# KiCad board DFTBoard.kicad_pcb (continued)
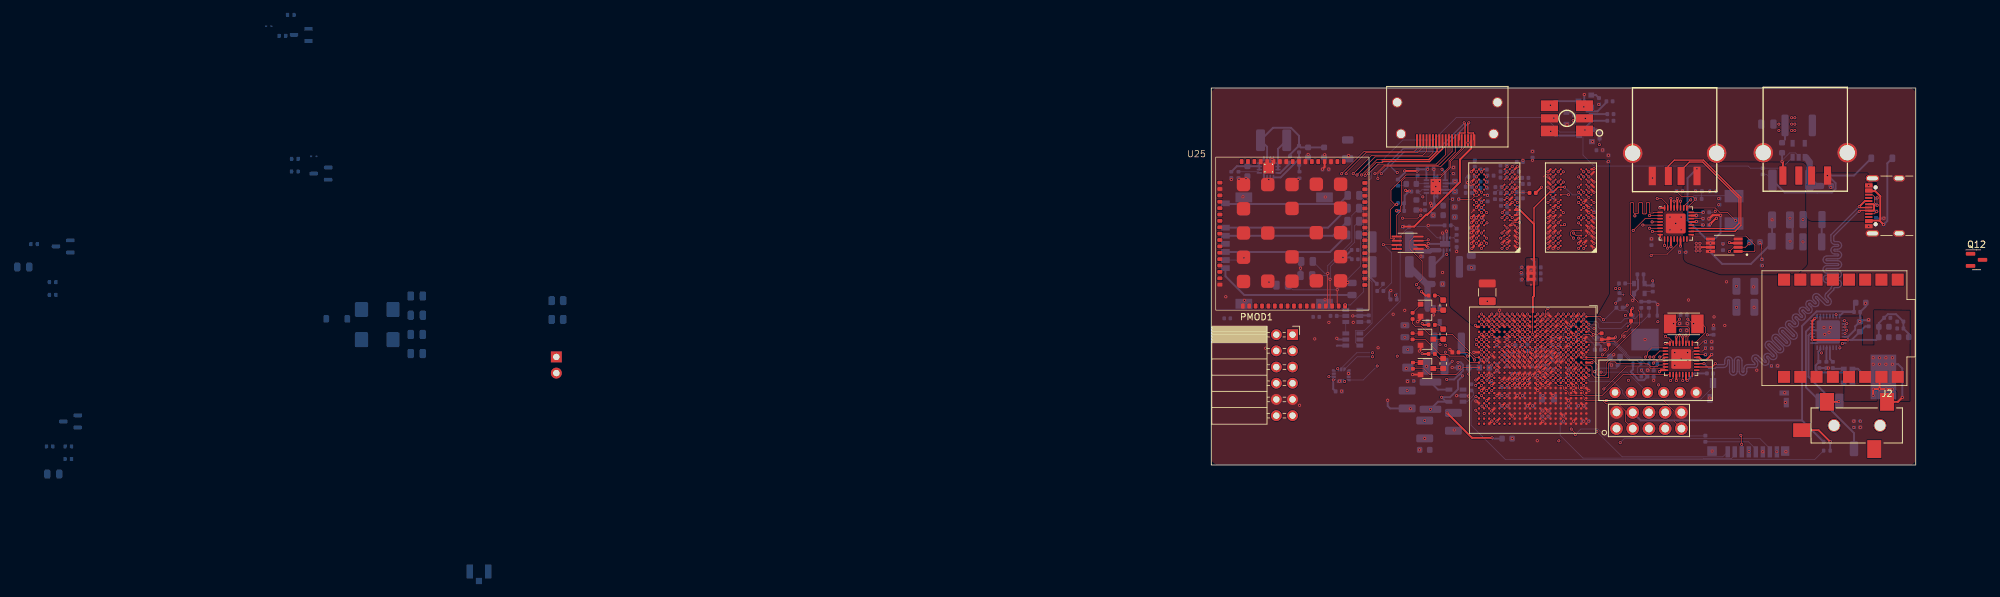
[diagram p0: board, top side]
## Routing (per net, layer and track width the routed paths; a pad name or vN(x,y) marks a point on that pad's centre or on a via; arc(x,y) is an arc through that point) (continued)
  BOTTOM w0.102: v1(5.11,32.47) 4.77,32.14 J4.C5 ; 33.44,39.99 C129.2 ; v1(52.71,43.57) 52.79,43.57 R49.2 ; v1(89.36,47.55) 89.36,47.77 90.53,48.94 91.49,48.94 91.96,48.47 ; R38.2 78.74,39.62 v1(78.89,39.78) ; U23.1 21.51,13.85 ; U8.11 35.4,42.57
  BOTTOM w0.3: C10.2 v1(89.36,47.55) ; 13.97,30.85 13.97,31.82 C143.2 ; 13.97,30.85 13.96,30.86 v1(13.96,30.88) ; 13.97,30.85 C144.2 ; U8.11 U8.11 34.9,40.85 ; 48.79,47.52 v1(48.79,47.78) ; J4.1 5.04,41.96 v1(4.95,42.05) ; 62.7,16.97 v1(63.01,17.29) ; U8.11 34.9,44.66 ; U8.11 U8.11 ; U8.11 34.9,46.37 ; C39.1 101.78,22.71 ; 101.59,22.53 101.59,24 102.47,24.87 C51.2 ; U13.8 8.23,45.81 U13.17 ; v1(38.15,42.88) 37.86,43.16 U8.4 35.99,43.16 35.63,42.8 ; v1(37.71,15.29) 37.72,15.27 C26.2 ; 91,38.25 91,34.8 ; v1(40.3,10.81) 40.23,10.88 U3.2 v1(38.41,10.88) ; 36.86,34.92 U5.3 36.86,36.62 v1(36.81,36.67) ; C132.2 21.72,32.55 v1(20.61,32.55) 20.8,32.55 C49.2 ; v1(18.41,46.4) 18.38,46.37 C48.2 ; v1(33.96,34.73) 34.02,34.67 U5.9 ; R94.2 R93.2 69.47,25.61 v1(69.91,25.17) 69.81,25.08 69.81,23.57 ; C66.2 27.86,26.16 27.86,27.11 v1(28.11,27.35) ; U8.8 v1(35.15,43.66) ; R91.2 60.69,18.99 61,18.69 R96.2 61.6,18.07 v1(61.61,18.09) ; C83.1 104.2,38.68 ; U13.17 9.23,46.81 U13.15 9.38,48.02 v1(9.5,47.9) ; U7.2 v1(34.81,23.53) ; 47.13,18.88 47.23,18.77 C106.2 ; C41.1 100.81,21.74 100.81,21.23 99.7,20.12 U9.6 ; 66.71,29.89 66.71,29.13 66.81,29.03 66.81,27.62 66.19,27 ; U18.2 66.19,26.04 v1(65.97,25.83) ; v1(9.03,28.67) 9.5,28.2 C145.2 ; C25.2 28,8.87 27.62,9.24 v1(27.62,10.16) ; v1(58.39,58.1) 58.39,57.2 Q5.2 ; U1.2 v1(22.15,23.38) ; v1(36.21,36.37) 36.36,36.22 U5.2 36.36,34.92 ; v1(19.65,19.88) 19.84,19.68 U2.2 ; 86.42,53.15 J1.5 ; 78.62,21.39 v1(78.62,21.91) ; C1.2 23.34,23.46 ; R92.2 v1(69.26,13.28) ; 36.53,37.57 v1(33.96,37.57)
  vias: v1(2.27,26.38) v1(3.13,44.77) v1(4.33,44.8) v1(5.18,25.82) v1(5.43,44.92) v1(8.51,18.32) v1(9,44.77) v1(13.6,44.8) v1(13.82,9.37) v1(15.16,48.7) v1(16.19,19.77) v1(17.75,48.65) v1(17.83,42.02) v1(17.81,25.9) v1(18.41,22.37) v1(20.09,13.15) v1(20.39,11.59) v1(21.36,28.62) v1(21.5,48.52) v1(21.49,14.36) v1(22.22,22.38) v1(26.11,18.39) v1(28.47,23.64) v1(30.29,24.26) v1(30.29,21.91) v1(30.53,15.15) v1(30.71,13.07) v1(31.16,8.82) v1(32.62,2.38) v1(32.81,39.99) v1(32.81,32.75) v1(33.41,4.17) v1(33.71,15.47) v1(34.34,41.06) v1(34.47,40.69) v1(34.71,44.47) v1(34.71,42.87) v1(34.72,39.18) v1(34.85,46.37) v1(35.71,44.47) v1(35.71,42.87) v1(36.21,30.19) v1(36.2,28.38) v1(37.78,41.67) v1(37.87,45.73) v1(38.03,5.49) v1(38.11,38.89) v1(38.86,15.32) v1(40.19,50.55) v1(40.71,30.94) v1(43.11,16.47) v1(43.21,25.67) v1(43.91,14.07) v1(44.71,14.88) v1(46.31,19.67) v1(46.31,10.88) v1(46.31,9.27) v1(47.11,18.88) v1(47.11,4.14) v1(48.51,30.18) v1(48.62,31.02) v1(48.65,29.15) v1(49.51,19.67) v1(50.29,49.18) v1(51.03,3.8) v1(51.91,8.47) v1(54.31,18.88) v1(55.69,53.39) v1(55.91,14.88) v1(58.31,6.88) v1(59.7,50.71) v1(61.27,49.4) v1(62.17,48.57) v1(62.62,15.67) v1(64.61,20.19) v1(67.91,19.67) v1(68.33,14.88) v1(68.91,35.46) v1(69.08,45) v1(71.81,38.87) v1(71.81,36.87) v1(72.56,17.62) v1(72.56,15.62) v1(72.71,37.87) v1(73.31,22.17) v1(73.56,38.87) v1(73.56,36.87) v1(73.56,16.62) v1(73.81,42.95) v1(74.29,33.37) v1(74.44,21.12) v1(74.51,22.17) v1(74.56,17.62) v1(74.6,16.4) v1(74.71,25.88) v1(75.84,42.95) v1(78.05,10.51) v1(78.4,2.19) v1(78.71,23.22) v1(79.02,42.92) v1(79.45,41.78) v1(80.11,34.66) v1(80.4,21.88) v1(80.66,28.72) v1(84.91,27.92) v1(84.97,24.73) v1(85.4,14.88) v1(86.35,2.06) v1(88.69,15.56) v1(89.78,11.33) v1(89.87,9.8) v1(89.96,2.08) v1(90.6,38.71) v1(90.61,35.11) v1(92.63,38.48) v1(92.63,34.98) v1(96.99,43.54) v1(100.6,6.88) v1(101.53,22.53) v1(101.6,5.91) v1(102.41,25.37) v1(102.93,43.84) v1(102.93,37.44) v1(102.92,22.77) v1(104.25,41.89) v1(105.31,38.71) v1(105.62,11.91)
GNDA: length 25.9
  TOP_GND w0.3: J2.1 107.49,9.9 v1(108.18,10.59)
  SIGNAL1 w0.3: v1(103.62,16.81) 98.24,16.81 v1(96.63,15.2)
  BOTTOM w0.3: 96.35,21.12 U9.21 ; 95.35,23.34 95.35,22.12 ; GT1.2 107.52,15.81 108.18,15.15 v1(108.18,10.59) ; U9.17 94.85,19.12 U9.33 ; C35.1 96.29,15.21
  vias: v1(95.93,21.55) v1(96.05,20.48) v1(96.71,20.82) v1(96.93,21.55) v1(103.62,15.81) v1(104.62,16.81) v1(104.62,15.81) v1(105.62,16.81) v1(105.62,15.81) v1(106.62,16.81) v1(106.62,15.81)
/Audio/HPRCOM_C_P: length 1.9
  TOP_GND w0.3: v1(98.25,9.94) 98.21,9.9 J2.2
/Audio/HPSWITCH: length 6.5
  TOP_GND w0.3: v1(96.89,3.65) 95.09,5.45 J2.4
  BOTTOM w0.3: R17.2 R16.1
/Audio/LED_1BA: length 4.6
  BOTTOM w0.3: v1(58.32,56.16) 58.32,55.92 58.78,55.46 60.45,55.46 61.86,56.87
/Audio/LED_1BC: length 4.7
  BOTTOM w0.3: Q5.3 53.74,57.06 v1(53.1,56.42)
/Audio/LED_1GA: length 3.7
  BOTTOM w0.3: R20.2 59.24,55.03 v1(58.56,54.35)
/Audio/LED_1GC:
  vias: v1(53.63,54.4)
/Audio/LED_1RA: length 4.3
  BOTTOM w0.3: v1(58.5,52.53) 58.5,52.88 59.6,53.98 R19.2
/Audio/LED_1RC: length 4.7
  BOTTOM w0.3: Q1.3 53.81,51.66 v1(53.14,52.33)
/Audio/MICBIAS: length 12.5
  BOTTOM w0.3: 100.93,15.09 101.22,15.09 C42.1 ; 100.93,15.09 100.35,14.51 95.02,14.51 94.63,14.9 94.63,15.61 C35.2 95.05,16.34 95.05,17.77 95.35,18.08 U9.15 ; 100.93,15.09 MIC1.1
/Audio/SIG_F: length 2.4
  BOTTOM w0.3: 97.31,16.17 96.85,16.63 U9.12
/Audio/SIGC_F: length 1.6
  BOTTOM w0.3: 99.03,15.09 97.41,15.09
/Comm/sim_clk: length 18.4
  TOP_GND w0.102: U25.32 18.59,25.28 v1(18.59,29.12)
  BOTTOM w0.102: R44.1 22.41,37.48 22.41,34.91 18.63,31.12 18.63,29.16 v1(18.59,29.12) 18.02,29.7 C144.1
/Comm/sim_clk#: length 20.1
  BOTTOM w0.3: J4.C3 19.06,35.95 R44.2
/Comm/sim_data: length 20.6
  TOP_GND w0.102: v1(18.23,30.03) 18.2,29.99 18.2,25.19 U25.31
  BOTTOM w0.102: R43.1 22,39.12 22,35.03 18.23,31.27 v1(18.23,30.03) 17.79,30.03 C143.1
/Comm/sim_data#: length 20.4
  BOTTOM w0.3: J4.C7 18.28,37.22 R43.2
/Comm/sim_det: length 19.3
  TOP_GND w0.102: U25.34 20.96,24.94 v1(20.96,25.1)
  BOTTOM w0.102: v1(20.96,25.1) 21.77,25.1 23.82,27.15 23.82,41.63 R105.1
/Comm/sim_det#: length 19.7
  BOTTOM w0.3: 21.35,42.27 20.01,40.93 2.31,40.93 J4.CD
/Comm/sim_rst: length 20.9
  TOP_GND w0.102: v1(19.71,27.47) 19.71,25.16 U25.33
  BOTTOM w0.102: C145.1 12.74,27.47 v1(19.71,27.47) 19.71,27.52 23.39,31.21 23.39,35.76 R45.1
/Comm/sim_rst#: length 20.1
  BOTTOM w0.3: R45.2 18.59,33.41 J4.C2
/Comm/VSIM: length 22.3
  BOTTOM w0.3: C146.1 5.17,26.65 2.22,29.6 J4.C1
/DDR3/PGOOD_LED: length 1
  BOTTOM w0.102: R102.1 30.24,43.79
/DDR3/VREF: length 72.6
  TOP_GND w0.102: U16.H1 v1(59.91,39.57) ; U20.H7 v1(53.51,18.88) ; U20.P7 v1(48.71,18.88)
  TOP_GND w0.12: 50.31,23.97 v1(50.31,20.47) ; 50.33,28.86 50.07,29.12
  TOP_GND w0.15: U15.M8 v1(42.31,42.77)
  TOP_GND w0.2: v1(55.31,43.57) 54.31,43.57 U16.M8 53.54,42.81 53,42.81 50.53,40.33 50.53,37.76
  TOP_GND w0.3: 50.31,23.97 50.33,23.99 50.33,26.29 50.53,26.49 50.53,29.12 ; 50.53,31.02 50.53,37.76 48.31,39.97 U15.H1 ; 47.51,39.98 v1(47.91,40.38)
  TOP_GND w0.45: 49.59,30.06 50.52,30.06 ; 49.59,31.02 50.53,31.02 50.53,29.12 49.59,29.12 49.59,31.02
  SIGNAL1 w0.3: v1(42.31,42.77) 41.82,42.28 39.59,42.28 36.11,45.76 v1(36.11,46.37)
  SIGNAL2 w0.102: v1(48.71,18.88) 49.1,19.27 49.1,19.85 49.34,20.08 49.92,20.08 v1(50.31,20.47) 50.72,20.07 52.9,20.07 53.12,19.85 53.12,19.27 v1(53.51,18.88)
  SIGNAL4 w0.15: v1(47.91,40.38) 47.49,39.96 46.9,39.96 46.88,39.99 44.92,39.99 42.55,42.36 42.55,42.54 v1(42.31,42.77)
  BOTTOM w0.102: v1(59.91,39.57) 59.91,40.16 57.7,42.37 56.52,42.37 v1(55.31,43.57)
  BOTTOM w0.3: U8.1 36.62,45.86 v1(36.11,46.37) ; C96.2 50.09,30.47 v2(50.02,30.47) 49.99,30.47 R48.1 ; R47.2 50.6,31.87 v2(50.15,32.32)
  vias: v2(50.04,28.27)
/DDR3/ZQH: length 3.5
  TOP_GND w0.102: U15.L8 41.59,42.06 41.12,42.06 40.74,41.67 R46.1 38.75,41.68 v1(38.73,41.7)
/DDR3/ZQL: length 0.6
  TOP_GND w0.102: U16.L8 v1(53.51,41.97)
/LCD50/SLED0_D: length 1.5
  TOP_GND w0.102: Q8.3 36.3,15.12
/LCD50/SLED0_G: length 1.2
  TOP_GND w0.102: 31.51,16.06 32.75,16.06
/LCD50/SLED0_R: length 1.6
  TOP_GND w0.102: R78.2 35.71,16.71 D4.2
/LCD50/SLED1_D: length 1.5
  TOP_GND w0.102: Q9.3 36.3,19.72
/LCD50/SLED1_G: length 1.2
  TOP_GND w0.102: Q9.1 31.53,20.67
/LCD50/SLED1_R: length 1.6
  TOP_GND w0.102: D5.2 35.65,21.97 R80.1
/LCD50/SLED2_D: length 1.5
  TOP_GND w0.102: Q10.3 36.3,24.27
/LCD50/SLED2_G: length 1.8
  TOP_GND w0.102: R85.1 32.76,25.11
/LCD50/SLED2_R: length 1.6
  TOP_GND w0.102: R86.1 35.6,26.57 D6.2
/USB/USBH_FLAG_LED: length 2.8
  TOP_GND w0.102: v1(85.89,34.91) 86.11,34.69 86.11,34.06 86.2,33.97 v1(86.2,32.25)
AX_TCLK: length 19.6
  TOP_GND w0.102: 53.91,15.27 v1(54.31,14.88)
  SIGNAL2 w0.102: v1(54.31,14.88) 53.9,14.47 52.52,14.47 52.31,14.26 52.31,10.57 54.05,8.84 60.31,8.84 CON1.1
AX_TDI: length 27.2
  TOP_GND w0.102: 53.11,13.67 v1(53.51,14.07) ; CON1.9 72.44,6.86 72.44,8.49 70.82,10.12 61.86,10.12 v1(61.86,10.12)
  SIGNAL2 w0.102: v1(53.51,14.07) 53.12,13.68 53.12,11.37 53.21,11.27 54.71,11.27 55.11,10.88 61.1,10.88 v1(61.86,10.12)
AX_TDO: length 16.5
  TOP_GND w0.102: CON1.3 64.82,6.86 64.82,8.49 63.73,9.58 61.82,9.58 61.33,10.07 58.59,10.07 58.36,10.31 58.36,10.64 58.13,10.88 56.19,10.88 55.86,11.2 55.86,11.44 55.63,11.67 55.41,11.67 55.16,11.93 55.16,12.24 54.93,12.47 54.31,12.47 U20.G14
AX_TMS: length 20
  TOP_GND w0.102: U20.G12 v1(54.31,14.07)
  SIGNAL1 w0.102: v1(54.31,14.07) 54.72,13.67 54.72,12.32 56.56,10.47 60.41,10.47 61.48,9.4 66.46,9.4 67.36,8.49 67.36,6.86 CON1.5
BOOTSPI_CS: length 8.7
  TOP_GND w0.102: 58.71,23.27 60.91,23.27 v1(61.41,22.77)
  BOTTOM w0.102: v1(61.41,22.77) 61.53,22.77 63.43,24.67 63.9,24.2 65.05,24.2 65.68,23.57 66,23.57
BOOTSPI_DQ0_BMODE3: length 16
  TOP_GND w0.102: U20.A2 v1(59.11,22.07)
  BOTTOM w0.102: R92.1 69.26,15.22 69.81,15.77 69.81,16.35 69.64,16.52 67.6,16.52 67.2,16.92 65.51,16.92 65,17.44 65,17.59 62.91,19.67 61.62,19.67 60.31,20.98 60.31,21.88 60.11,22.07 v1(59.11,22.07)
BOOTSPI_DQ1_BMODE1: length 17.6
  TOP_GND w0.102: 54.71,19.27 v1(55.11,19.67)
  BOTTOM w0.102: 67.28,24.6 67.28,23.57 66.95,23.57 66.33,22.96 66.33,22.95 64.73,22.95 64.14,22.35 61.25,22.35 60.34,23.27 56.52,23.27 56.31,23.06 56.31,21.97 56.3,21.97 56.3,21.89 56.1,21.68 55.74,21.68 55.52,21.46 55.52,20.98 55.11,20.57 v1(55.11,19.67)
BOOTSPI_DQ2_BMODE2: length 17.3
  TOP_GND w0.102: U20.E4 v1(55.91,20.47)
  BOTTOM w0.102: v1(55.91,20.47) 56.31,20.88 56.31,21.47 56.51,21.67 56.89,21.67 57.1,21.89 57.1,21.97 57.11,21.97 57.11,22.27 57.3,22.47 60.32,22.47 60.58,22.2 60.58,21.65 60.85,21.38 64.15,21.38 65.05,22.27 67.25,22.27 68.54,23.57 68.54,24.6
BOOTSPI_DQ3_BMODE0: length 13.9
  TOP_GND w0.102: 58.71,21.67 v1(59.11,21.27)
  BOTTOM w0.102: v1(59.11,21.27) 59.11,20.52 60.11,19.51 60.99,19.51 61.51,18.99 63.01,18.99 64.59,17.42 64.59,17.27 65.45,16.4 66.65,16.4 67.28,15.77 66.71,15.21 66.71,14.49 R95.1
BOOTSPI_SCK_BMODE4: length 12.5
  TOP_GND w0.102: v1(59.81,20.47) 59.41,20.88 U20.A4
  BOTTOM w0.102: 68.54,15.77 68.06,15.77 67.21,16.62 65.52,16.62 64.79,17.35 64.79,17.5 63.1,19.2 61.6,19.2 60.87,19.92 ; 60.87,19.92 60.32,20.47 v1(59.81,20.47) ; 60.87,19.92 60.83,19.96 R91.1
CLK50: length 1.4
  BOTTOM w0.102: 64.79,28.47 66.16,28.47
DDR3_A0: length 51.6
  TOP_GND w0.102: U16.N3 v1(57.51,43.57) ; U15.N3 v1(45.51,43.57)
  TOP_GND w0.13: U20.M4 v1(49.52,21.27)
  SIGNAL4 w0.102: v1(49.52,21.27) 49.11,21.67 49.11,24.7 49.61,25.2 50.03,25.2 51.49,26.65 51.53,26.68 51.58,26.71 51.63,26.72 51.68,26.72 51.74,26.71 51.78,26.68 51.87,26.62 51.92,26.59 51.97,26.58 52.02,26.58 52.08,26.59 52.13,26.62 52.17,26.65 52.25,26.73 52.28,26.78 52.31,26.82 52.32,26.88 52.32,26.93 52.31,26.98 52.28,27.03 52.25,27.07 52.08,27.24 52.09,27.25 51.92,27.42 51.88,27.46 51.86,27.51 51.85,27.57 51.85,27.62 51.86,27.67 51.88,27.72 51.92,27.76 52,27.85 52.04,27.88 52.09,27.9 52.14,27.92 52.2,27.92 52.25,27.9 52.3,27.88 52.34,27.85 52.68,27.5 52.72,27.47 52.77,27.45 52.82,27.44 52.88,27.44 52.93,27.45 52.98,27.47 53.02,27.5 53.11,27.59 53.14,27.63 53.16,27.68 53.17,27.73 53.17,27.79 53.16,27.84 53.14,27.89 53.11,27.93 52.76,28.27 52.73,28.31 52.71,28.36 52.69,28.41 52.69,28.47 52.71,28.52 52.73,28.57 52.76,28.61 52.85,28.69 52.89,28.73 52.94,28.75 52.99,28.76 53.04,28.76 53.1,28.75 53.15,28.73 53.19,28.69 53.53,28.35 53.57,28.32 53.62,28.3 53.67,28.28 53.73,28.28 53.78,28.3 53.83,28.32 53.87,28.35 53.95,28.44 53.99,28.48 54.01,28.53 54.02,28.58 54.02,28.63 54.01,28.69 53.99,28.74 53.95,28.78 53.61,29.12 53.58,29.16 53.56,29.21 53.54,29.26 53.54,29.32 53.56,29.37 53.58,29.42 53.61,29.46 53.7,29.54 53.74,29.58 53.79,29.6 53.84,29.61 53.89,29.61 53.95,29.6 53.99,29.58 54.04,29.54 54.38,29.2 54.42,29.17 54.47,29.14 54.52,29.13 54.58,29.13 54.63,29.14 54.68,29.17 54.72,29.2 54.8,29.28 54.84,29.33 54.86,29.38 54.87,29.43 54.87,29.48 54.86,29.54 54.84,29.58 54.8,29.63 54.46,29.97 54.43,30.01 54.4,30.06 54.39,30.11 54.39,30.16 54.4,30.22 54.43,30.27 54.46,30.31 54.54,30.39 54.59,30.43 54.63,30.45 54.69,30.46 54.74,30.46 54.79,30.45 54.84,30.43 54.89,30.39 55.23,30.05 55.27,30.02 55.32,29.99 55.37,29.98 55.42,29.98 55.48,29.99 55.53,30.02 55.57,30.05 55.65,30.13 55.68,30.18 55.71,30.22 55.72,30.28 55.72,30.33 55.71,30.38 55.68,30.43 55.62,30.52 55.59,30.57 55.58,30.62 55.58,30.67 55.59,30.72 55.62,30.77 55.65,30.82 57.91,33.07 57.91,37.52 58.71,38.32 58.71,39.82 58.86,39.97 59.96,39.97 60.41,40.42 60.41,41.37 60.21,41.58 58.46,41.58 57.91,42.12 57.91,43.17 v1(57.51,43.57) 57.11,43.17 51.76,43.17 51.36,42.77 51.26,42.77 51.22,42.78 51.19,42.79 51.15,42.81 51.13,42.84 51.11,42.87 51.09,42.91 51.08,42.98 51.07,43.02 51.05,43.05 51.02,43.08 50.99,43.1 50.96,43.11 50.92,43.12 50.86,43.12 50.82,43.11 50.79,43.1 50.75,43.08 50.73,43.05 50.71,43.02 50.69,42.98 50.68,42.91 50.67,42.87 50.65,42.84 50.62,42.81 50.59,42.79 50.56,42.78 50.52,42.77 47.73,42.77 47.32,43.18 45.9,43.18 v1(45.51,43.57)
DDR3_A1: length 52.1
  TOP_GND w0.102: U16.P7 v1(54.31,44.37) ; U15.P7 43.1,44.38
  TOP_GND w0.13: U20.M5 v1(49.51,20.47)
  SIGNAL1 w0.102: 53.11,44.17 53.31,43.97 53.77,43.97 54.25,43.49 54.25,42.33 56,40.59 56,37.76 55.01,36.77 52.91,36.77 52.9,36.79 52.52,36.79 51.71,35.97 51.71,34.62 51.7,34.58 51.69,34.54 51.67,34.5 51.63,34.47 51.6,34.44 51.55,34.43 51.51,34.42 51.43,34.42 51.38,34.42 51.34,34.41 51.3,34.38 51.27,34.35 51.25,34.31 51.23,34.27 51.23,34.22 51.23,34.18 51.25,34.14 51.27,34.1 51.3,34.07 51.34,34.04 51.38,34.03 51.43,34.02 51.88,34.02 51.91,34.02 51.95,34.01 51.98,33.99 52.01,33.96 52.03,33.93 52.04,33.9 52.04,33.86 52.04,33.79 52.04,33.75 52.03,33.72 52.01,33.69 51.98,33.66 51.95,33.64 51.91,33.63 51.88,33.62 51.43,33.62 51.38,33.62 51.34,33.61 51.3,33.58 51.27,33.55 51.25,33.51 51.23,33.47 51.23,33.42 51.23,33.38 51.25,33.34 51.27,33.3 51.3,33.27 51.34,33.24 51.38,33.23 51.43,33.22 51.99,33.22 52.04,33.22 52.08,33.21 52.12,33.18 52.15,33.15 52.17,33.11 52.19,33.07 52.19,33.02 52.19,32.98 52.17,32.94 52.15,32.9 52.12,32.87 52.08,32.84 52.04,32.83 51.99,32.82 51.43,32.82 51.38,32.82 51.34,32.81 51.3,32.78 51.27,32.75 51.25,32.71 51.23,32.67 51.23,32.62 51.23,32.58 51.25,32.54 51.27,32.5 51.3,32.47 51.34,32.44 51.38,32.43 51.43,32.42 51.99,32.42 52.04,32.42 52.08,32.41 52.12,32.38 52.15,32.35 52.17,32.31 52.19,32.27 52.19,32.22 52.19,32.18 52.17,32.14 52.15,32.1 52.12,32.07 52.08,32.04 52.04,32.03 51.99,32.02 51.43,32.02 51.38,32.02 51.34,32.01 51.3,31.98 51.27,31.95 51.25,31.91 51.23,31.87 51.23,31.82 51.23,31.78 51.25,31.74 51.27,31.7 51.3,31.67 51.34,31.64 51.38,31.63 51.43,31.62 51.99,31.62 52.04,31.62 52.08,31.61 52.12,31.58 52.15,31.55 52.17,31.51 52.19,31.47 52.19,31.42 52.19,31.38 52.17,31.34 52.15,31.3 52.12,31.27 52.08,31.24 52.04,31.23 51.99,31.22 51.43,31.22 51.38,31.22 51.34,31.21 51.3,31.18 51.27,31.15 51.25,31.11 51.23,31.07 51.23,31.02 51.23,30.98 51.25,30.94 51.27,30.9 51.3,30.87 51.34,30.84 51.38,30.83 51.43,30.82 51.94,30.82 51.99,30.82 52.03,30.81 52.07,30.78 52.1,30.75 52.12,30.71 52.14,30.67 52.14,30.62 52.14,30.58 52.12,30.54 52.1,30.5 52.07,30.47 52.03,30.44 51.99,30.43 51.94,30.42 51.91,30.42 51.87,30.42 51.82,30.41 51.79,30.38 51.75,30.35 51.73,30.31 51.72,30.27 51.71,30.22 51.71,27.12 50.31,25.72 50.31,21.14 49.78,20.6 49.64,20.6 v1(49.51,20.47) ; 53.11,44.17 52.91,43.97 49.86,43.97 49.82,43.98 49.77,43.99 49.74,44.02 49.7,44.05 49.68,44.09 49.67,44.13 49.66,44.17 49.66,44.27 49.65,44.32 49.64,44.36 49.62,44.4 49.58,44.43 49.55,44.46 49.5,44.47 49.46,44.47 49.42,44.47 49.37,44.46 49.34,44.43 49.3,44.4 49.28,44.36 49.27,44.32 49.26,44.27 49.26,43.67 49.25,43.63 49.24,43.59 49.22,43.55 49.18,43.52 49.15,43.49 49.1,43.48 49.06,43.47 49.02,43.48 48.97,43.49 48.94,43.52 48.9,43.55 48.88,43.59 48.87,43.63 48.86,43.67 48.86,43.77 48.85,43.82 48.84,43.86 48.82,43.9 48.78,43.93 48.75,43.96 48.7,43.97 48.66,43.97 43.5,43.97 v1(43.1,44.38) ; 53.11,44.17 53.11,44.57 53.31,44.77 53.91,44.77 v1(54.31,44.37)
DDR3_A2: length 51.3
  TOP_GND w0.102: U16.P3 v1(57.51,45.17) ; U15.P3 v1(46.31,45.17)
  TOP_GND w0.13: U20.K4 v1(51.91,21.27)
  SIGNAL1 w0.102: v1(46.31,45.17) 46.71,45.57 47.41,45.57 47.88,46.05 50.09,46.05 50.81,46.77 55.91,46.77 v1(57.51,45.17)
  SIGNAL4 w0.102: v1(51.91,21.27) 51.91,21.61 51.98,21.68 52.1,21.68 52.31,21.89 52.31,23.92 52.56,24.17 53.51,24.17 54.34,25 54.88,25 62.84,32.95 62.84,34.85 62.84,34.88 62.85,34.9 62.86,34.92 62.88,34.94 62.9,34.96 62.93,34.97 62.96,34.97 62.96,34.97 62.99,34.97 63.01,34.98 63.04,35 63.06,35.02 63.07,35.04 63.08,35.06 63.08,35.09 63.08,35.25 63.08,35.28 63.07,35.3 63.06,35.32 63.04,35.34 63.01,35.36 62.99,35.37 62.96,35.37 62.71,35.37 62.68,35.37 62.66,35.38 62.63,35.4 62.61,35.42 62.6,35.44 62.59,35.46 62.59,35.49 62.59,35.65 62.59,35.68 62.6,35.7 62.61,35.72 62.63,35.74 62.66,35.76 62.68,35.77 62.71,35.77 62.96,35.77 62.99,35.77 63.01,35.78 63.04,35.8 63.06,35.82 63.07,35.84 63.08,35.86 63.08,35.89 63.08,36.05 63.08,36.08 63.07,36.1 63.06,36.12 63.04,36.14 63.01,36.16 62.99,36.17 62.96,36.17 62.71,36.17 62.68,36.17 62.66,36.18 62.63,36.2 62.61,36.22 62.6,36.24 62.59,36.26 62.59,36.29 62.59,36.45 62.59,36.48 62.6,36.5 62.61,36.52 62.63,36.54 62.66,36.56 62.68,36.57 62.71,36.57 62.96,36.57 62.99,36.57 63.01,36.58 63.04,36.6 63.06,36.62 63.07,36.64 63.08,36.66 63.08,36.69 63.08,36.85 63.08,36.88 63.07,36.9 63.06,36.92 63.04,36.94 63.01,36.96 62.99,36.97 62.96,36.97 62.71,36.97 62.68,36.97 62.66,36.98 62.63,37 62.61,37.02 62.6,37.04 62.59,37.06 62.59,37.09 62.59,37.25 62.59,37.28 62.6,37.3 62.61,37.32 62.63,37.34 62.66,37.36 62.68,37.37 62.71,37.37 62.96,37.37 62.99,37.37 63.01,37.38 63.04,37.4 63.06,37.42 63.07,37.44 63.08,37.46 63.08,37.49 63.08,37.65 63.08,37.68 63.07,37.7 63.06,37.72 63.04,37.74 63.01,37.76 62.99,37.77 62.96,37.77 62.96,37.77 62.93,37.77 62.9,37.78 62.88,37.8 62.86,37.82 62.85,37.84 62.84,37.86 62.84,37.89 62.84,39.4 62.81,39.42 62.81,42.47 60.46,44.82 59.76,44.82 59.51,44.57 59.51,44.17 59.31,43.97 57.98,43.97 57.51,44.45 v1(57.51,45.17)
DDR3_A3: length 53.5
  TOP_GND w0.102: U16.N2 v1(59.11,43.57) ; v1(47.11,44.38) 47.11,44.38 U15.N2
  TOP_GND w0.13: U20.L4 v1(51.11,21.27)
  SIGNAL2 w0.102: v1(47.11,44.38) 47.5,44.77 48.64,44.77 48.68,44.77 48.71,44.76 48.75,44.74 48.77,44.71 48.79,44.68 48.81,44.64 48.81,44.57 48.83,44.53 48.85,44.5 48.87,44.47 48.91,44.45 48.94,44.44 48.98,44.44 49.04,44.44 49.08,44.44 49.11,44.45 49.15,44.47 49.17,44.5 49.19,44.53 49.21,44.57 49.21,44.61 49.21,44.77 49.24,44.77 49.24,44.94 49.24,44.98 49.26,45.02 49.28,45.05 49.3,45.08 49.34,45.1 49.37,45.11 49.41,45.11 49.47,45.11 49.51,45.11 49.54,45.1 49.58,45.08 49.6,45.05 49.62,45.02 49.64,44.98 49.64,44.91 49.66,44.87 49.68,44.84 49.7,44.81 49.74,44.79 49.77,44.78 49.81,44.77 57.11,44.77 58.31,43.57 v1(59.11,43.57)
  SIGNAL4 w0.102: v1(59.11,43.57) 59.21,43.57 59.61,43.97 60.71,43.97 61.22,43.47 61.22,43.46 62.33,42.35 62.33,35.45 62.34,35.44 62.34,33.4 60.77,31.83 60.74,31.8 60.72,31.75 60.71,31.7 60.71,31.65 60.72,31.6 60.74,31.56 60.8,31.48 60.82,31.44 60.83,31.39 60.83,31.34 60.82,31.29 60.8,31.24 60.77,31.21 60.66,31.1 60.62,31.06 60.58,31.04 60.53,31.03 60.48,31.03 60.43,31.04 60.38,31.06 60.35,31.1 60.05,31.39 60.01,31.42 59.97,31.44 59.93,31.45 59.89,31.45 59.84,31.44 59.8,31.42 59.77,31.39 59.62,31.25 59.6,31.21 59.58,31.17 59.57,31.13 59.57,31.09 59.58,31.04 59.6,31 59.62,30.97 59.92,30.67 59.95,30.63 59.97,30.59 59.98,30.54 59.98,30.49 59.97,30.44 59.95,30.4 59.92,30.36 59.81,30.25 59.77,30.22 59.73,30.19 59.68,30.18 59.63,30.18 59.58,30.19 59.54,30.22 59.5,30.25 59.2,30.54 59.17,30.57 59.13,30.59 59.08,30.6 59.04,30.6 59,30.59 58.96,30.57 58.92,30.54 58.78,30.4 58.75,30.36 58.73,30.32 58.72,30.28 58.72,30.24 58.73,30.19 58.75,30.15 58.78,30.12 59.07,29.82 59.1,29.78 59.13,29.74 59.14,29.69 59.14,29.64 59.13,29.59 59.1,29.55 59.07,29.51 58.96,29.4 58.92,29.37 58.88,29.35 58.83,29.34 58.78,29.34 58.73,29.35 58.69,29.37 58.65,29.4 58.35,29.7 58.32,29.72 58.28,29.74 58.23,29.75 58.19,29.75 58.15,29.74 58.11,29.72 58.07,29.7 57.93,29.55 57.9,29.52 57.88,29.48 57.87,29.43 57.87,29.39 57.88,29.35 57.9,29.31 57.93,29.27 58.22,28.97 58.26,28.94 58.28,28.89 58.29,28.84 58.29,28.79 58.28,28.74 58.26,28.7 58.22,28.66 58.11,28.55 58.08,28.52 58.03,28.5 57.98,28.49 57.93,28.49 57.88,28.5 57.84,28.52 57.8,28.55 57.5,28.85 57.47,28.87 57.43,28.89 57.39,28.9 57.34,28.9 57.3,28.89 57.26,28.87 57.22,28.85 57.08,28.7 57.05,28.67 57.03,28.63 57.02,28.58 57.02,28.54 57.03,28.5 57.05,28.46 57.08,28.42 57.22,28.28 57.22,28.28 57.37,28.12 57.4,28.09 57.43,28.04 57.44,27.99 57.44,27.94 57.43,27.89 57.4,27.85 57.37,27.81 57.26,27.7 57.23,27.67 57.18,27.65 57.13,27.64 57.08,27.64 57.03,27.65 56.99,27.67 56.91,27.73 56.87,27.75 56.82,27.76 56.77,27.76 56.72,27.75 56.67,27.73 56.63,27.7 54.11,25.18 52.47,25.18 51.51,24.21 51.51,21.67 v1(51.11,21.27)
  BOTTOM w0.102: v1(47.11,44.38) 48.37,44.38 48.68,44.07
DDR3_A4: length 50.4
  TOP_GND w0.102: U16.P8 v1(53.51,44.37) ; U15.P8 v1(41.51,44.37)
  TOP_GND w0.13: 51.51,19.27 v1(51.91,19.67)
  SIGNAL1 w0.102: v1(51.91,19.67) 51.51,20.07 50.86,20.07 50.71,20.22 50.71,25.5 52.84,27.62 52.84,27.7 52.84,27.74 52.85,27.79 52.88,27.82 52.91,27.86 52.95,27.88 52.99,27.89 53.03,27.9 53.09,27.9 53.13,27.91 53.17,27.92 53.21,27.94 53.24,27.98 53.27,28.01 53.28,28.06 53.29,28.1 53.28,28.14 53.27,28.19 53.24,28.22 53.21,28.26 53.17,28.28 53.13,28.29 53.09,28.3 52.58,28.3 52.54,28.31 52.5,28.32 52.46,28.34 52.43,28.38 52.4,28.41 52.39,28.46 52.38,28.5 52.39,28.54 52.4,28.59 52.43,28.62 52.46,28.66 52.5,28.68 52.54,28.69 52.58,28.7 53.09,28.7 53.13,28.71 53.17,28.72 53.21,28.74 53.24,28.78 53.27,28.81 53.28,28.86 53.29,28.9 53.28,28.94 53.27,28.99 53.24,29.02 53.21,29.06 53.17,29.08 53.13,29.09 53.09,29.1 52.58,29.1 52.54,29.11 52.5,29.12 52.46,29.14 52.43,29.18 52.4,29.21 52.39,29.26 52.38,29.3 52.39,29.34 52.4,29.39 52.43,29.42 52.46,29.46 52.5,29.48 52.54,29.49 52.58,29.5 52.63,29.5 52.68,29.51 52.72,29.52 52.76,29.54 52.79,29.58 52.82,29.61 52.83,29.66 52.84,29.7 52.84,32.35 53.36,32.87 53.36,33.17 53.11,33.42 52.61,33.42 52.31,33.72 52.31,35.85 52.46,36 53.3,36 53.32,35.98 54.92,35.98 56.5,37.56 56.5,40.64 54.46,42.68 54.46,43.62 53.7,44.37 v1(53.51,44.37)
  SIGNAL4 w0.102: v1(53.51,44.37) 53.11,44.77 49.76,44.77 49.72,44.78 49.67,44.79 49.64,44.82 49.6,44.85 49.58,44.89 49.57,44.93 49.56,44.97 49.56,45.05 49.55,45.09 49.54,45.14 49.52,45.17 49.48,45.21 49.45,45.23 49.4,45.24 49.36,45.25 49.32,45.24 49.27,45.23 49.24,45.21 49.2,45.17 49.18,45.14 49.17,45.09 49.16,45.05 49.16,44.97 49.15,44.93 49.14,44.89 49.12,44.85 49.08,44.82 49.05,44.79 49,44.78 48.96,44.77 U15.P8 v1(41.51,44.37)
  BOTTOM w0.102: v1(41.51,44.37) 41.51,44.34 40.79,43.62
DDR3_A5: length 52.5
  TOP_GND w0.102: U15.P2 47.11,45.17 v1(47.11,45.18) ; U16.P2 v1(59.11,44.37)
  TOP_GND w0.13: U20.K5 v1(51.91,20.47)
  SIGNAL1 w0.102: v1(59.11,44.37) 58.7,44.78 57.12,44.78 55.53,46.37 51.9,46.37 51.1,45.57 47.69,45.57 47.3,45.18 v1(47.11,45.18)
  SIGNAL4 w0.102: v1(59.11,44.37) 59.11,44.51 59.63,45.03 60.81,45.03 60.81,45.02 63.31,42.52 63.31,32.47 59.75,28.91 59.71,28.88 59.67,28.87 59.63,28.86 59.59,28.86 59.54,28.87 59.5,28.88 59.43,28.94 59.39,28.96 59.35,28.97 59.31,28.97 59.26,28.96 59.22,28.94 59.19,28.91 59.19,28.91 59.16,28.87 59.14,28.83 59.13,28.79 59.13,28.75 59.14,28.7 59.16,28.66 59.19,28.63 59.5,28.32 59.53,28.28 59.54,28.24 59.55,28.2 59.55,28.15 59.54,28.11 59.53,28.07 59.5,28.03 59.46,28.01 59.42,27.99 59.38,27.98 59.33,27.98 59.29,27.99 59.25,28.01 59.21,28.03 58.9,28.35 58.87,28.37 58.83,28.39 58.79,28.4 58.74,28.4 58.7,28.39 58.66,28.37 58.62,28.35 58.62,28.34 58.59,28.31 58.57,28.27 58.56,28.23 58.56,28.18 58.57,28.14 58.59,28.1 58.62,28.06 58.93,27.75 58.96,27.72 58.98,27.68 58.99,27.63 58.99,27.59 58.98,27.54 58.96,27.5 58.93,27.47 58.9,27.44 58.86,27.42 58.81,27.41 58.77,27.41 58.72,27.42 58.68,27.44 58.65,27.47 58.62,27.5 58.58,27.53 58.54,27.55 58.5,27.56 58.45,27.56 58.41,27.55 58.37,27.53 58.34,27.5 55.46,24.62 54.61,24.62 53.11,23.12 53.11,21.77 53.01,21.67 52.74,21.67 52.73,21.67 52.52,21.67 52.31,21.46 52.31,20.88 v1(51.91,20.47)
  BOTTOM w0.102: v1(47.11,45.18) 47.5,44.78 48.17,44.78 48.41,45.02 R56.1
